# Altium PCB PCB1.PcbDoc
Units mm, origin at the board's own origin, x right, y up, seen from the top; angles counter-clockwise.
Board outline 65 x 100 mm, 2 copper layers (Top Layer, Bottom Layer); 57 components, 56 nets, 301 pads, 180 vias.
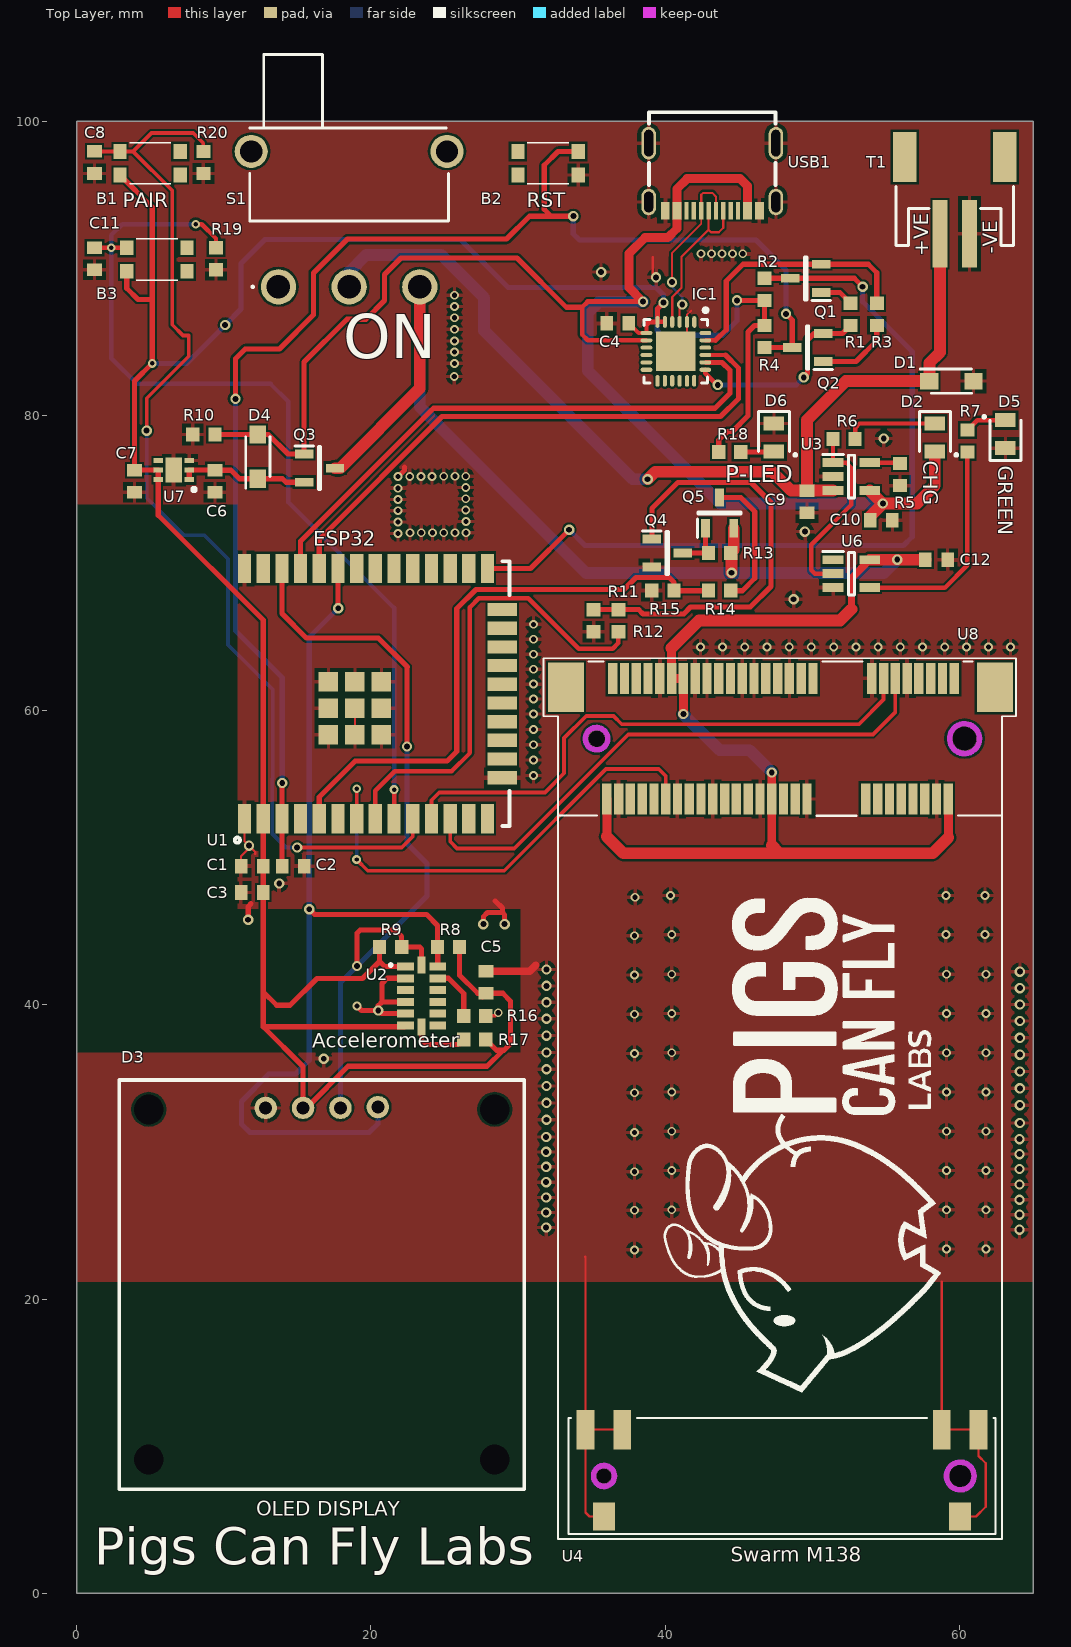
[diagram p0: Top Layer view]
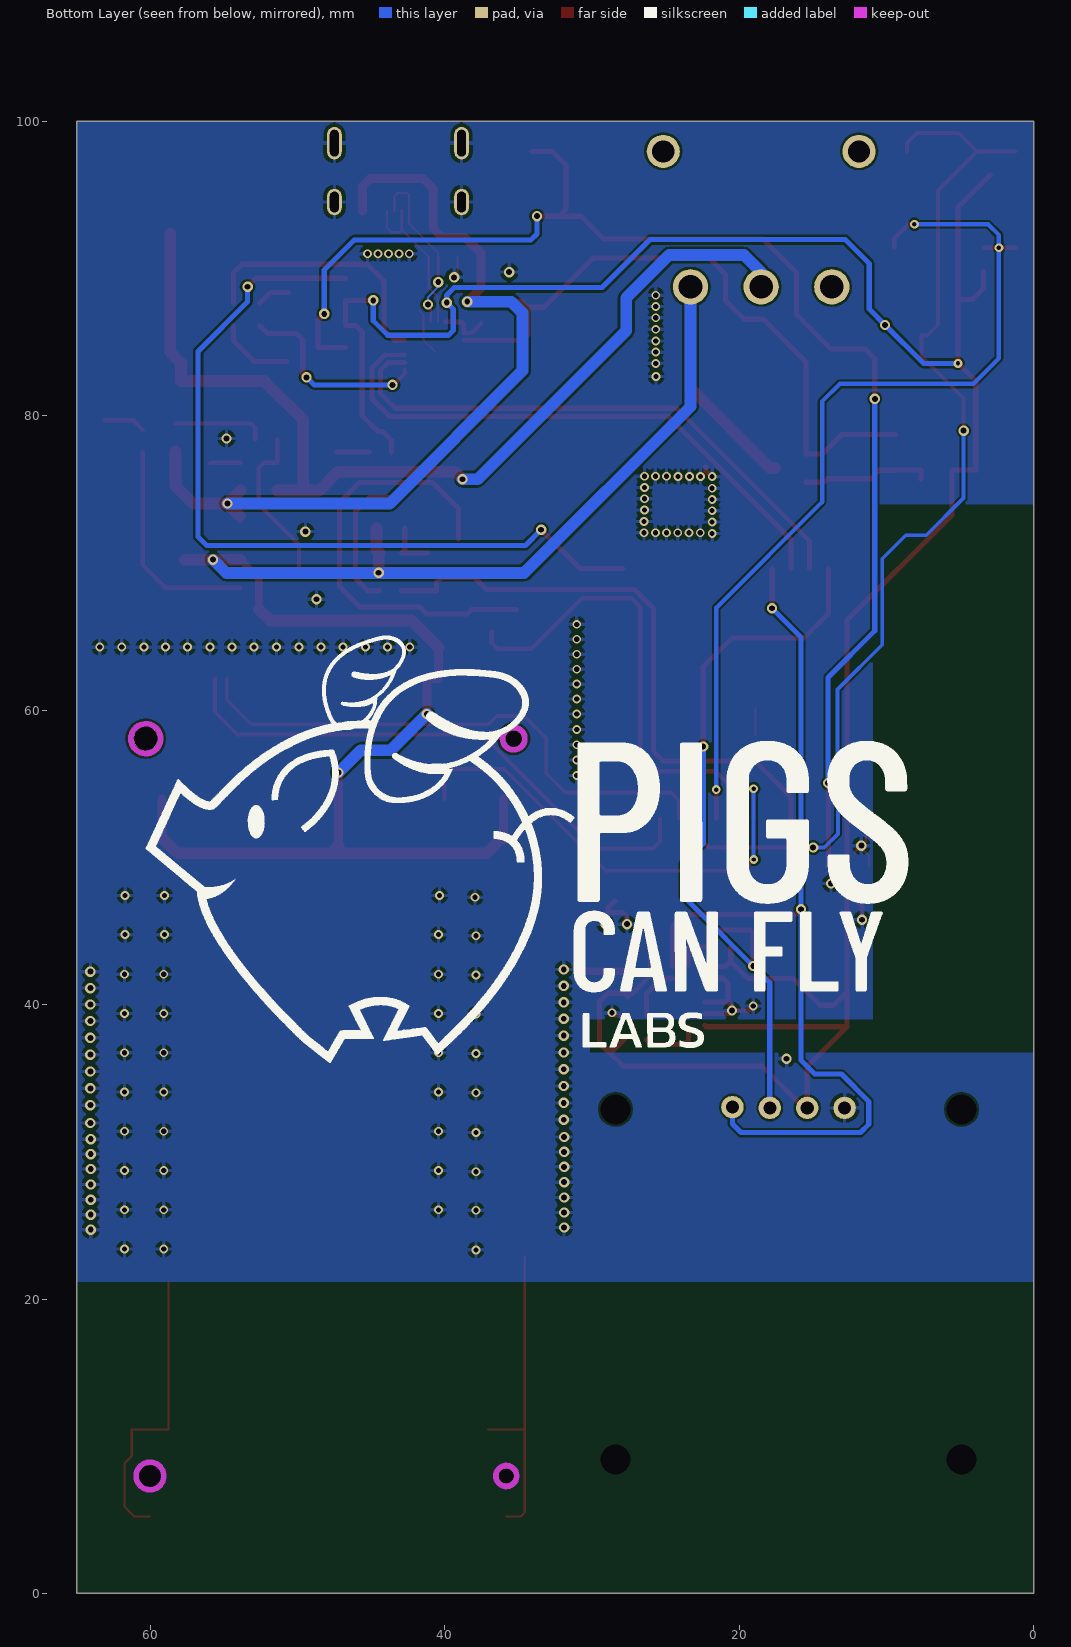
[diagram p1: Bottom Layer view, seen from below]
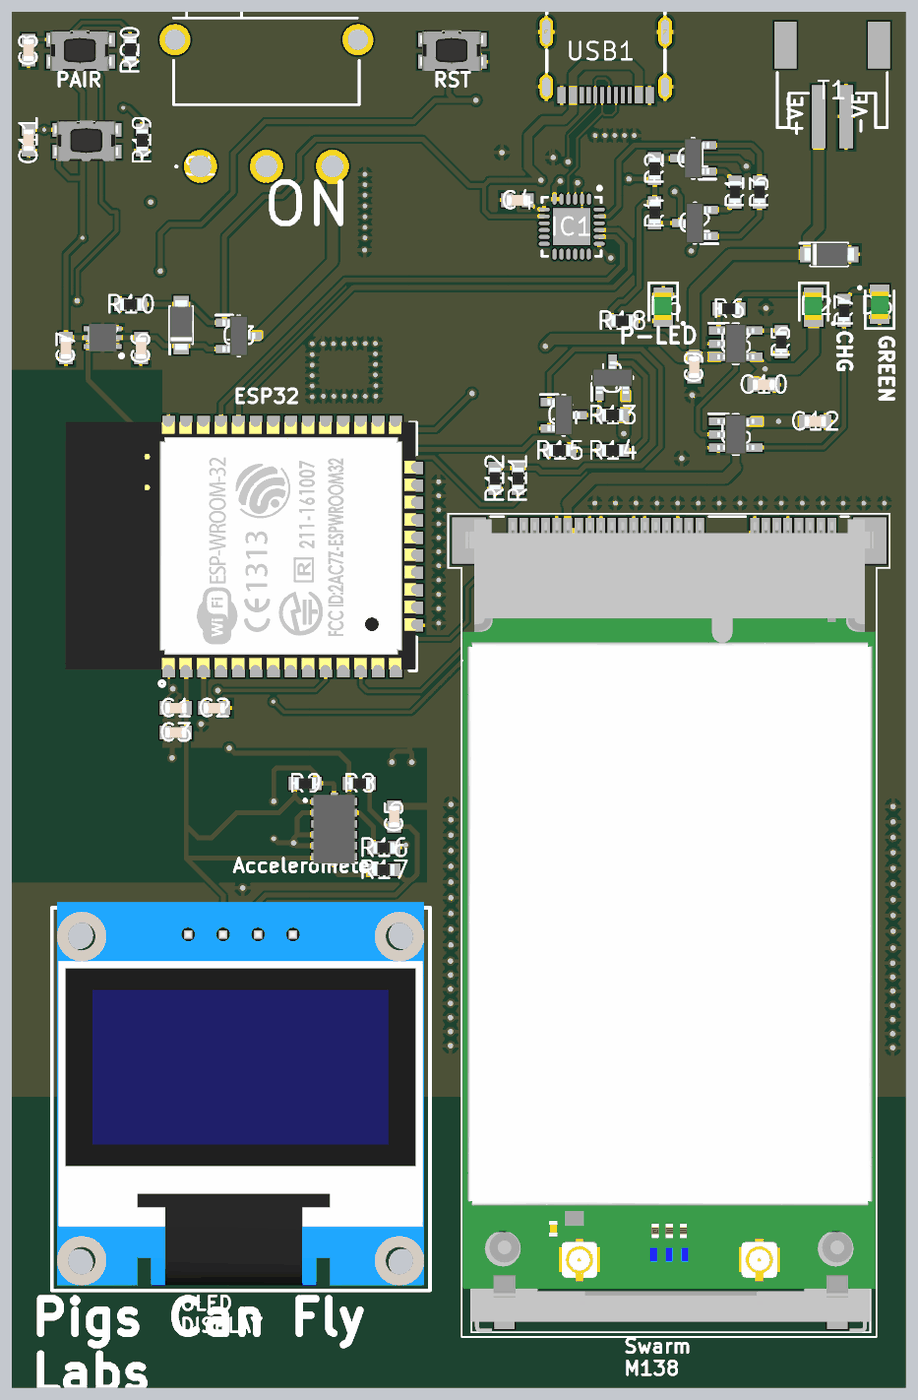
[diagram p2: 3D render of the assembled board from above, using the file's embedded part models]

## Layer stack, top to bottom
Top Solder: solder mask 0.0102, Solder Resist, Dk 3.5
Top Layer: signal copper 0.0356
Dielectric 1: dielectric 0.32, FR-4, Dk 4.8
Bottom Layer: signal copper 0.0356
Bottom Solder: solder mask 0.0102, Solder Resist, Dk 3.5

## Board outline
0,0 65,0 65,100 0,100

## Design rules (kind name [scope] priority, off if disabled: settings)
Clearance [All] p1: gap=0.157
PolygonConnect [All] p1: connectstyle=Relief reliefconductorwidth=0.254 reliefentries=4 polygonreliefangle="90 Angle" airgapwidth=0.254
RoutingVias [All] p1: holewidth=0.711 width=1.27 viastyle="Through Hole" minholewidth=0.711 minwidth=1.27 maxholewidth=0.711 maxwidth=1.27
SolderMaskExpansion [All] p1: expansion=0.102
Width [All] p1: maxlimit=35 minlimit=0.127 preferedwidth=0.254
30 further rules are at their usual default settings.

## Components (designator, comment, footprint, x,y, rotation, side; value= is the part's Value field where it differs from the comment)
B1 "Pairing Button" KMR221NGLFS 5,97.164 r0 top
B2 "Reset Button" KMR221NGLFS 32.032,97.164 r0 top
B3 "Wakeup Button" KMR221NGLFS 5.461,90.618 r0 top
C1 "CAPC1608N-0.1UF" "0603 Capacitor" 11.93,49.394 r0 top
C2 "CAPC1608N-0.1UF" "0603 Capacitor" 14.724,49.394 r180 top
C3 "CAPC1608N-0.1UF" "0603 Capacitor" 11.93,47.616 r0 top
C4 "CAPC1608N-0.1UF" "0603 Capacitor" 36.767,86.297 r180 top
C5 "100n" "0603 Capacitor" 27.813,41.52 r90 top
C6 "1µF" "0603 Capacitor" 9.398,75.556 r270 top
C7 "10u" "0603 Capacitor" 3.937,75.556 r270 top
C8 "100n" "0603 Capacitor" 1.219,97.214 r270 top
C9 "10u" "0603 Capacitor" 49.625,74.174 r270 top
C10 "1u" "0603 Capacitor" 54.673,72.898 r0 top
C11 "100n" "0603 Capacitor" 1.219,90.668 r270 top
C12 "1u" "0603 Capacitor" 58.42,70.229 r0 top
D1 "MBR120" SODFL3616X98N 59.436,82.36 r0 top
D2 "ORANGE" LED 58.483,78.613 r0 top
D3 "0.96\" i2c Olded Display" "i2c display" 16.002,20.819 r0 top
D4 "MBR120" SODFL3616X98N 12.319,77.231 r90 top
D5 "ORANGE" LED 62.928,78.668 r180 top
D6 "ORANGE" LED 47.549,78.613 r0 top
IC1 "CP2104-F03-GMR" cp2104 40.703,84.383 r180 top
Q1 "MMBT2222ALT1G" SOT96P237X111-3N 49.539,89.345 r180 top
Q2 "MMBT2222ALT1G" SOT96P237X111-3N 49.666,84.646 r180 top
Q3 "DMG3415U" SOT96P237X111-3N 16.51,76.445 r0 top
Q4 "2N7002,215" SOT96P237X111-3N 40.132,70.679 r0 top
Q5 "BSS48" SOT96P237X111-3N 43.688,73.406 r90 top
R1 "10k 0603" RES0603 52.587,86.896 r270 top
R2 "10k 0603" RES0603 46.745,88.594 r90 top
R3 "10k 0603" RES0603 54.365,86.896 r90 top
R4 "10k 0603" RES0603 46.745,85.396 r270 top
R5 "10K" RES0603 55.944,76.012 r270 top
R6 "1K" RES0603 52.142,78.414 r180 top
R7 "1K" RES0603 60.515,78.287 r270 top
R8 "4k7 0603" RES0603 25.273,43.917 r180 top
R9 "4k7 0603" RES0603 21.336,43.917 r0 top
R10 "100K" RES0603 8.648,78.731 r0 top
R11 "4K7" RES0603 36.805,66.084 r270 top
R12 "100K" RES0603 35.128,66.084 r270 top
R13 "100K" RES0603 43.688,70.679 r180 top
R14 "330K" RES0603 43.688,68.123 r180 top
R15 "100K" RES0603 39.832,68.123 r180 top
R16 "10k 0603" RES0603 27.051,39.243 r180 top
R17 "10k 0603" RES0603 27.051,37.643 r180 top
R18 "1K" RES0603 44.375,77.537 r180 top
R19 "10k 0603" RES0603 9.474,90.668 r270 top
R20 "10k 0603" RES0603 8.611,97.214 r270 top
S1 "SS-12D11G5R (BAT Slide Switch)" SS12D11G5R 13.716,88.764 r0 top
T1 "Battery Connector" "Battery Connector" 59.627,94.298 r0 top
U1 "ESP32-WROOM-32__16MB_" ESP32 18.923,60.062 r180 top
U2 "ADXL345BCCZ-RL" ADXL345BCCZRL 23.444,40.589 r0 top
U3 "MCP73831-2-OT" SOT95P270X145-5N 52.642,75.874 r0 top
U4 "Component_2" m.2 60.037,7.979 r180 top locked
U6 "NOT GATE" SOT95P270X145-5N 52.642,69.279 r0 top
U7 "NCV8187AMT330TAG" SON65P200X200X80-7N 6.604,76.318 r180 top
U8 "SWARM_M138_mPCIe_2.005\"_VHF" RF_VHF_JAE_MM60-52B1-B1-R850_MM60-EZH039-B5-R850_w_2005_mPCIe_card 60.325,58.068 r180 top locked
USB1 "GT-USB-7010B" "type c" 42.809,97.13 r180 top

## Footprints (in the part's own frame and the unit in brackets; to place one, negate y for a bottom-side part, rotate by r counter-clockwise, add the part's x,y. Pads: shape width x height; smd on the part's side, far side on the other; paste and mask are expansions set on the pad)
"0603 Capacitor" [mm]
  rect 0.85x1 smd: 1(-0.75,0) 2(0.75,0)
  body extent -0.8,-0.4 0.8,0.4, height 0.81
ADXL345BCCZRL [mm]
  rect 1.145x0.55 smd: 1(-1.097,2) 2(-1.097,1.2) 3(-1.097,0.4) 4(-1.097,-0.4) 5(-1.097,-1.2) 6(-1.097,-2) 8(1.097,-2) 9(1.097,-1.2) 10(1.097,-0.4) 11(1.097,0.4) 12(1.097,1.2) 13(1.097,2)
  rect 0.55x1.145 smd: 7(0,-2.098) 14(0,2.098)
  silkscreen extent -2.2,2 -2,2.2, body extent -1.5,-2.5 1.5,2.5, height 1.1
"Battery Connector" [mm]
  rect 1x4.6 smd: 1(-0.965,-1.922) 2(1.035,-1.922)
  rect 1.6x3.4 smd: NC1(-3.365,3.278) NC2(3.435,3.278)
  silkscreen extent -3.97,-2.72 4.03,1.28
cp2104 [mm]
  oval 0.28x0.8 smd: 1(-1.263,-1.999) 2(-0.763,-1.999) 3(-0.263,-1.999) 4(0.237,-1.999) 5(0.737,-1.999) 6(1.237,-1.999) 13(1.237,2.001) 14(0.737,2.001) 15(0.237,2.001) 16(-0.263,2.001) 17(-0.763,2.001) 18(-1.255,2.001)
  oval 0.8x0.28 smd: 7(1.987,-1.248) 8(1.987,-0.749) 9(1.987,-0.248) 10(1.987,0.251) 11(1.987,0.752) 12(1.987,1.251) 19(-2.013,1.251) 20(-2.013,0.752) 21(-2.013,0.251) 22(-2.013,-0.248) 23(-2.013,-0.749) 24(-2.013,-1.248)
  rect 2.7x2.7 smd: 25(0,0.001)
  silkscreen extent -2.29,-3.05 2.15,2.15
ESP32 [mm]
  rect 0.9x2 smd: 1(7.513,7.433) 2(6.243,7.433) 3(4.973,7.433) 4(3.703,7.433) 5(2.433,7.433) 6(1.163,7.433) 7(-0.107,7.433) 8(-1.377,7.433) 9(-2.647,7.433) 10(-3.917,7.433) 11(-5.187,7.433) 12(-6.457,7.433) 13(-7.727,7.433) 14(-8.997,7.433) 25(-8.997,-9.567) 26(-7.727,-9.567) 27(-6.457,-9.567) 28(-5.187,-9.567) 29(-3.917,-9.567) 30(-2.647,-9.567) 31(-1.377,-9.567) 32(-0.107,-9.567) 33(1.163,-9.567) 34(2.433,-9.567) 35(3.703,-9.567) 36(4.973,-9.567) 37(6.243,-9.567) 38(7.513,-9.567)
  rect 2x0.9 smd: 15(-9.997,4.648) 16(-9.997,3.378) 17(-9.997,2.108) 18(-9.997,0.838) 19(-9.997,-0.432) 20(-9.997,-1.702) 21(-9.997,-2.972) 22(-9.997,-4.242) 23(-9.997,-5.512) 24(-9.997,-6.782)
  rect 1.33x1.33 smd: 39(1.813,1.733) 40(0.013,1.733) 41(-1.787,1.733) 42(1.813,-0.067) 43(0.013,-0.067) 44(-1.787,-0.067) 45(1.813,-1.867) 46(0.013,-1.867) 47(-1.787,-1.867)
  silkscreen extent -10.5,-10.07 8.18,9.07, body extent -10.46,-10.12 15.04,7.88
"i2c display" [mil]
  round 60 hole 35: 1(-124.21,479.01) 2(-24.21,479.01) 3(75.79,479.01) 4(175.79,481.14)
  round 60 / inner round 100 / far side round 60 hole 80 unplated: ""(-436.81,-461.93) ""(-436.81,475.07) ""(488.39,-461.93) ""(488.39,475.07)
  silkscreen extent -516,-541 567,554, body extent -501,-527 551,570, height 208
KMR221NGLFS [mm]
  rect 0.9x1 smd: 1(-2.05,-0.8) 2(2.05,-0.8) 3(2.05,0.8) 4(-2.05,0.8)
  silkscreen extent -1.4,-1.4 1.4,1.4, body extent -2.35,-1.48 2.25,1.52, height 2.1
LED [mm]
  rect 1.4x0.95 smd: 1(-0.175,0.866) 2(-0.175,-1.034)
  silkscreen extent -1.22,-1.33 1.33,1.69, body extent -0.82,-1 0.43,1, height 1.1
m.2 [mm]
  rect 1.5x1.9 smd: S1_1(0.009,2.751) S2_1(24.209,2.751)
  rect 1.2x2.7 smd: S1_2(-1.241,-3.149) S1_3(1.259,-3.149) S2_2(22.959,-3.149) S2_3(25.459,-3.149)
  round 1.55 hole 1.55 unplated mask+0.102: ""(0.009,0.001)
  round 1.05 hole 1.05 unplated: ""(24.209,0.001)
  Keep-Out Layer circle w0.381: c24.206,0 r0.711
  Keep-Out Layer circle w0.381: c0,0 r0.94
  silkscreen extent -2.39,-3.95 26.61,3.95, body extent -2.39,-3.92 26.61,3.98, height 4.7
RES0603 [mm]
  rect 0.9x0.95 smd: 1(-0.75,0) 2(0.75,0)
  body extent -0.77,-0.4 0.77,0.4, height 0.55
RF_VHF_JAE_MM60-52B1-B1-R850_MM60-EZH039-B5-R850_w_2005_mPCIe_card [mil]
  rect 25x83 smd: 1(27.56,-161.42) 2(43.31,161.42) 3(59.06,-161.42) 4(74.8,161.42) 5(90.55,-161.42) 6(106.3,161.42) 7(122.05,-161.42) 8(137.8,161.42) 9(153.54,-161.42) 10(169.29,161.42) 11(185.04,-161.42) 12(200.79,161.42) 13(216.53,-161.42) 14(232.28,161.42) 15(248.03,-161.42) 16(263.78,161.42) 17(405.51,-161.42) 18(421.26,161.42) 19(437.01,-161.42) 20(452.76,161.42) 21(468.5,-161.42) 22(484.25,161.42) 23(500,-161.42) 24(515.75,161.42) 25(531.5,-161.42) 26(547.24,161.42) 27(562.99,-161.42) 28(578.74,161.42) 29(594.49,-161.42) 30(610.24,161.42) 31(625.98,-161.42) 32(641.73,161.42) 33(657.48,-161.42) 34(673.23,161.42) 35(688.98,-161.42) 36(704.72,161.42) 37(720.47,-161.42) 38(736.22,161.42) 39(751.97,-161.42) 40(767.72,161.42) 41(783.46,-161.42) 42(799.21,161.42) 43(814.96,-161.42) 44(830.71,161.42) 45(846.46,-161.42) 46(862.2,161.42) 47(877.95,-161.42) 48(893.7,161.42) 49(909.45,-161.42) 50(925.2,161.42) 51(940.94,-161.42) 52(956.69,161.42)
  rect 96x132 smd: 53(-81.69,-137.79) 54(1065.94,-137.79)
  round 64.02 hole 64 unplated: ""(0,0)
  round 44.02 hole 44 unplated: ""(984.25,0)
  Keep-Out Layer circle w15: c0,0 r40
  Keep-Out Layer circle w15: c984.25,0 r30
  silkscreen extent -138,-215 1126,2141, body extent -98,-198 1083,2003, height 272
SODFL3616X98N [mm]
  rect 1.24x1.12 smd: 1(-1.5,0) 2(1.5,0)
  silkscreen extent -2.12,-0.82 1.35,0.82, body extent -1.8,-0.82 1.8,0.82, height 0.98
SON65P200X200X80-7N [mm]
  rect 0.65x0.35 smd: 1(-1.05,0.65) 2(-1.05,0) 3(-1.05,-0.65) 4(1.05,-0.65) 5(1.05,0) 6(1.05,0.65)
  rect 1.1x1.7 smd: 7(0,0)
  silkscreen extent -1.5,1.2 -1.25,1.45, body extent -1.05,-1 1.05,1, height 0.8
SOT95P270X145-5N [mm]
  rect 1.4x0.6 smd: 1(-1.25,0.95) 2(-1.25,0) 3(-1.25,-0.95) 4(1.25,-0.95) 5(1.25,0.95)
  silkscreen extent -1.95,-1.45 0.2,1.5, body extent -1.35,-1.45 1.35,1.45, height 1.45
SOT96P237X111-3N [mm]
  rect 1.25x0.6 smd: 1(-1.05,0.955) 2(-1.05,-0.955) 3(1.05,0)
  silkscreen extent -1.68,-1.46 0.08,1.51, body extent -1.18,-1.46 1.18,1.46, height 1.11
SS12D11G5R [mm]
  round 2.4 hole 1.6: 1(0,0) 2(4.8,0) 3(9.6,0)
  round 2.25 hole 1.5: MH1(-1.85,9.2) MH2(11.45,9.2)
  silkscreen extent -1.95,-0.05 11.55,15.78
"type c" [mm]
  rect 0.6x1.2 smd: 1(-3.579,3.203) 2(-2.779,3.203) 11(2.021,3.203) 12(2.821,3.203)
  rect 0.3x1.2 smd: 3(-2.129,3.203) 4(-1.629,3.203) 5(-1.129,3.203) 6(-0.629,3.203) 7(-0.129,3.203) 8(0.371,3.203) 9(0.871,3.203) 10(1.371,3.203)
  oval 1x1.8 hole 0.6 slot 1.4 at 90 deg: 13(-4.699,2.603) 14(3.941,2.603)
  oval 1x2.2 hole 0.6 slot 1.8 at 90 deg: 15(-4.699,-1.397) 16(3.941,-1.397)
  silkscreen extent -4.68,-3.5 3.92,1.47

## Part data
B1 B2 B3: library part Button
C1 C2 C3 C4: "CAP CER 0.1UF 25V X7R 0603"
C5 C8 C11: library part 100n_0603
C6: library part CAP_CERAMIC0805-NOOUTLINE, "Ceramic Capacitors   For new designs, use the packages preceded by an '_' character since they are more reliable:   The following footprints should be used on most boards: _0402 - Standard footprint for regular board layouts  _0603 - Standard footprint for regular board layouts  _0805 - Standard footprint for regular board layouts  _1206 - Standard footprint for regular board layouts       For extremely tight-pitch boards where space is at a premium, the following 'micro-pitch' footprints can be used (smaller pads, no silkscreen outline, etc.): _0402MP - Micro-pitch footprint for very dense/compact boards  _0603MP - Micro-pitch footprint for very dense/compact boards  _0805MP - Micro-pitch footprint for very dense/compact boards  _1206MP - Micro-pitch footprint for very dense/compact boards"
C7 C9 C10 C12: library part 10u_0603
D1 D4: library part MBR0520
D2 D5 D6: library part LED
D3: library part "Header 4", "Header, 4-Pin"
IC1: library part CP2104, "CP2104 - USB to UART Bridge    VDD Output: 3.45V"
Q1 Q2 U1 U2 U7: "Integrated Circuit"
Q3: library part MOSFET-P, "P-Channel Mosfet   LEGEND   VDS: Voltage Drain-Source ID: Drain Current RDS(ON): Drain-Source On-State Resistance VGS(TH): Gate-Source Threshold Voltage CISS: Drain-Source Input Capacitance    SOT-23   Name	VDS	ID	RDS(ON)	VGS(TH)	CISS	Order Number	   IRLML5103	30V	760mA	600 mOhm	--	75pF @ 25V	Digikey: IRLML5103PBFCT-ND	   IRLML6401	12V	4.3A	50 mOhm	950mV @ 250µA	830pF @ 10V	Digikey: IRLML6401PBFTR-ND	   NTR0202PL	20V	400mA	800 mOhm	2.3V @ 250uA	70pF @ 5V	Digikey: NTR0202PLT1GOSTR-ND	   NTR4101PT1G	20V	1.8A	85 mOhm	1.2V @ 250uA	675pF @ 10V	Digikey: NTR4101PT1GOSCT-ND	   DMP2004K	20V	600mA	900 mOhm	1V @ 250uA	175pF @ 16V	Digikey: DMP2004KDICT-ND	   PMV65XP	20V	3.9A	76 mOhm	950mV @ 1mA	725pF @ 20V	Digikey: 568-2358-2-ND	   							   							TO-252   Name	VDS	ID	RDS(ON)	VGS(TH)	CISS	Order Number	   AOD417	30V	25A	34 mOhm	3V @ 250µA	920pF @ 15V	Digikey: 785-1106-2-ND	PowerPak   Name	VDS	ID	RDS(ON)	VGS(TH)	CISS	Order Number	   AON7401	30V	12A	14 mOhm	3V @ 250µA	2600pF @ 15V	Digikey: 785-1302-1-ND"
Q4: library part 2N7002
Q5: library part BSS84
R1 R2 R3 R4 R16 R17 R19 R20: library part RGA1608P-103-B-T1, "Resistor"
R5 R8 R9: library part 10K_0603
R6 R7 R18: library part 1K_0603
R10: library part RESISTOR_0603_NOOUT, "Resistors   For new designs, use the packages preceded by an '_' character since they are more reliable:   The following footprints should be used on most boards: _0402 - Standard footprint for regular board layouts  _0603 - Standard footprint for regular board layouts  _0805 - Standard footprint for regular board layouts  _1206 - Standard footprint for regular board layouts       For extremely tight-pitch boards where space is at a premium, the following 'micro-pitch' footprints can be used (smaller pads, no silkscreen outline, etc.): _0402MP - Micro-pitch footprint for very dense/compact boards  _0603MP - Micro-pitch footprint for very dense/compact boards  _0805MP - Micro-pitch footprint for very dense/compact boards  _1206MP - Micro-pitch footprint for very dense/compact boards"
R11: library part 4K7_0603
R12 R13 R15: library part 100K_0603
R14: library part 330K_0603
S1: library part SS-12D11G5R, "Switch"
U6: library part SN74LVC1G04DBVR, "Integrated Circuit"
U8: "SWARM M138 MODEM mPCIe 2.005\" (50.925mm) x 1.18\" (30mm)  Two part connector"

## Via types
v1: diameter 0.6, hole 0.35, Top Layer to Bottom Layer, tented both sides, 102 vias
v2: diameter 0.7, hole 0.4, Top Layer to Bottom Layer, tented both sides, 72 vias
v3: diameter 0.6, hole 0.3, Top Layer to Bottom Layer, tented both sides, 6 vias

## Nets (pads, with @x,y where several pads share a name; then routed paths per layer and width w, separated by ;. In a path a pad name is that pad's centre, name@x,y a point inside that pad or via, vN(x,y) a via of type N, cw(c..) or ccw(c..) an arc to the next point about the centre after c; other vN are vias at no path point)
+3V3: B1.1 B3.1 C1.2 C3.2 C4.1 C5.1 C7.1 D3.2 IC1.5 IC1.6 IC1.7 R2.1 R4.1 R8.1 R9.1 R17.1 R18.2 U1.2 U2.1 U2.6 U7.5 U7.6 | length 193.1
  Top Layer w0.3: C4.1 38.182,85.631 IC1.7 38.717,86.206 ; IC1.6 IC1.5
  Top Layer w0.35: B1.1 5.143,94.171 5.143,87.909 ; B3.1 3.411,88.664 4.166,87.909 5.143,87.909 ; v2@10.051,86.215 v2(10.096,86.17) ; R9.1 20.586,42.939 ; U2.6 22.259,38.501 12.68,38.501 ; U2.1 20.936,42.589 20.586,42.939 ; R8.1 26.023,41.998 27.251,40.77 C5.1 ; C5.1@27.572,40.529 C5.1 ; R17.1 28.538,36.906 29.032,36.906 29.489,37.363 29.489,40.234 28.953,40.77 C5.1 ; 28.981,36.906 27.889,35.814 18.44,35.814 15.612,32.986 D3.2 15.387,35.794 12.68,38.501 ; 38.717,86.206 38.892,86.381 IC1.6 39.466,87.282 v2(39.878,87.694) ; R18.2 43.625,78.347 44.221,78.943 44.552,78.943 45.618,80.01 45.618,85.7 46.064,86.146 R4.1 R2.1 v2(44.871,87.844) ; 5.143,87.909 v3(5.143,83.566) 3.937,82.36 C7.1 3.949,76.318 U7.5 U7.6 5.554,73.25 12.68,66.124 U1.2 C1.2 C3.2 12.68,40.869 ; 12.68,38.501 12.68,40.869 ; 12.68,40.869 13.594,39.954 14.503,39.954 16.332,41.783 19.43,41.783 20.586,42.939
  Bottom Layer w0.35: v3(5.143,83.566) 7.493,83.566 v2(10.096,86.17) 11.176,87.249 11.176,90.348 12.802,91.973 26.06,91.973 29.324,88.71 39.37,88.71 39.878,88.202 v2(39.878,87.694) 39.433,87.249 39.433,85.789 39.751,85.471 43.878,85.471 44.871,86.463 v2(44.871,87.844)
CHG_FULL: R7.2 U6.4 | length 14.9
  Top Layer w0.3: U6.4 58.994,68.328 60.515,69.85 R7.2
CLK: U1.20
CMD: U1.19
D+: IC1.3 USB1.6 USB1.8 | length 11.9
  Top Layer w0.127: 40.45,90.8 40.45,91.046 42.438,93.035 USB1.8
  Top Layer w0.15: v2(40.45,89.082) 40.45,90.8 ; IC1.3 40.966,87.385 v2(41.148,87.567) ; USB1.8 42.438,95.016 42.57,95.148 43.18,95.148 43.438,94.891 USB1.6
  Bottom Layer w0.15: v2(40.45,89.082) 40.45,88.76 41.148,88.062 v2(41.148,87.567)
D-: IC1.4 USB1.5 USB1.7 | length 10.9
  Top Layer w0.15: IC1.4 40.466,88.068 ; 41.1,88.701 41.1,90.8 42.938,92.638 ; USB1.7 42.938,92.638 ; USB1.5 43.938,92.782 43.626,92.47 43.105,92.47 42.938,92.638
  Top Layer w0.153: 40.466,88.068 41.1,88.701
DTR: IC1.23 Q1.2 R3.2 | length 18
  Top Layer w0.3: IC1.23 43.412,85.131
  Top Layer w0.35: 43.412,85.131 44.133,85.852 44.133,89.154 45.278,90.299 Q1.2 53.782,90.299 54.365,89.717 R3.2
EN: B2.3 C2.2 Q2.3 R4.2 U1.3 | length 96.3
  Top Layer w0.35: v2(10.795,81.153) 10.795,83.884 11.462,84.55 13.786,84.55 16.104,86.868 16.104,89.713 18.402,92.012 29.21,92.012 30.763,93.565 v2(33.748,93.565) 32.242,93.565 31.775,94.031 31.775,97.028 32.711,97.964 B2.3 ; v2(13.97,55.054) 13.95,55.034 U1.3 13.95,49.418 C2.2 ; R4.2 Q2.3 48.616,86.512 v2(48.197,86.932)
  Bottom Layer w0.35: v2(10.795,81.153) 10.795,65.405 13.97,62.23 v2(13.97,55.054) ; v2(33.748,93.565) 33.748,92.363 34.163,91.948 46.164,91.948 48.197,89.916 v2(48.197,86.932)
GND: B2.2 C1.1 C2.1 C3.1 C4.2 C5.2 C6.2 C7.2 C8.2 C9.2 C10.2 C11.2 C12.2 D1.2 D3.1 D5.1 D6.1 IC1.2 IC1.25 Q4.2 R5.2 R10.1 R12.2 R15.2 R16.1 R19.2 R20.2 T1.2 U1.1 U1.15 U1.38 U1.39 U1.40 U1.41 U1.42 U1.43 U1.44 U1.45 U1.46 U1.47 U2.2 U2.4 U2.5 U3.2 U4.S1_1 U4.S1_2 U4.S1_3 U4.S2_1 U4.S2_2 U4.S2_3 U6.3 U7.3 U7.7 U8.4 U8.9 U8.15 U8.18 U8.21 U8.26 U8.27 U8.29 U8.34 U8.35 U8.37 U8.40 U8.43 U8.50 USB1.1 USB1.12 USB1.13 USB1.14 USB1.15 USB1.16 | length 71.1
  Top Layer w0.127: IC1.25 41.466,85.144 IC1.2 41.466,86.856 41.758,87.147
  Top Layer w0.15: C1.1 11.18,50.093 11.709,50.622 v2(11.709,50.8) ; U1.1 11.41,51.1 v2(11.709,50.8) ; 12.141,50.241 12.141,50.368 v2(11.709,50.8) ; U1.40 U1.43 ; 34.544,22.885 34.578,22.851 U4.S2_3 ; U4.S2_1 34.853,5.228 34.578,5.503 U4.S2_3 ; U4.S2_2 U4.S2_3 ; 39.15,90.8 39.15,89.628 v2(39.37,89.408) ; 58.778,21.181 U4.S1_3 U4.S1_2 61.278,9.334 61.773,8.839 61.773,5.893 61.108,5.228 U4.S1_1
  Top Layer w0.254: R16.1 28.448,39.243 v1(28.651,39.446)
  Top Layer w0.35: v2(11.659,45.771) 11.659,46.662 11.859,46.862 ; v1(19.05,39.903) 19.355,39.599 v2(20.498,39.599) ; v1(21.844,75.87) 22.276,76.302 22.276,76.505 ; U2.5 20.707,39.389 v2(20.498,39.599) ; U2.4 20.758,40.189 ; U2.2 21.114,41.789 20.758,41.434 20.758,40.189 ; v2(27.635,45.466) 27.635,45.974 27.915,46.253 28.931,46.253 ; 28.448,47.041 28.931,46.558 28.931,46.253 ; v2(29.083,45.466) 29.083,46.101 28.931,46.253 ; v2(20.498,39.599) 20.498,39.929 20.758,40.189
  Top Layer w0.5: C5.2 30.789,42.27 31.191,42.672
  other v1: 37.897,23.343 59.106,23.393 61.773,23.393 37.897,26.035 40.437,26.06 59.106,26.06 61.773,26.06 37.897,28.651 40.437,28.727 59.106,28.727 61.773,28.727 37.897,31.318 40.437,31.394 59.106,31.394 61.773,31.394 37.897,34.011 40.437,34.061 59.106,34.061 61.773,34.061 37.897,36.678 40.437,36.728 59.106,36.728 61.773,36.728 37.897,39.345 40.437,39.395 59.106,39.395 61.773,39.395 37.897,42.012 40.437,42.062 59.106,42.062 61.773,42.062 37.897,44.679 40.437,44.755 59.055,44.755 61.722,44.755 37.948,47.295 40.361,47.422 59.055,47.422 61.722,47.422 31.039,55.575 31.039,56.617 31.039,57.658 31.039,58.699 31.039,59.741 31.039,60.757 31.039,61.773 31.039,62.789 31.039,63.805 42.393,64.287 43.891,64.287 45.39,64.287 46.914,64.287 48.412,64.287 49.911,64.287 51.435,64.287 52.959,64.287 54.458,64.287 55.956,64.287 57.48,64.287 58.979,64.287 60.452,64.287 61.951,64.287 63.449,64.287 31.039,64.821 31.039,65.837 21.844,72.009 22.657,72.06 23.419,72.06 24.181,72.06 24.943,72.06 25.705,72.06 26.467,72.06 21.844,72.796 26.467,72.822 21.844,73.558 26.441,73.609 21.844,74.32 26.441,74.371 21.844,75.082 26.441,75.133 22.631,75.87 23.393,75.87 24.155,75.87 24.943,75.895 25.705,75.895 26.441,75.895 25.654,82.677 25.679,83.566 25.679,84.328 25.679,85.09 25.679,85.877 25.679,86.665 25.679,87.427 25.679,88.189 42.418,91.008 43.129,91.008 43.84,91.008 44.552,91.008 45.263,91.008
  other v2: 64.059,24.714 31.902,24.867 64.059,25.73 31.902,25.883 64.059,26.746 31.902,26.899 64.059,27.788 31.902,27.94 64.059,28.829 31.902,28.981 64.059,29.845 31.902,29.997 64.059,30.861 31.902,31.013 64.084,31.953 31.928,32.182 64.084,33.172 31.928,33.325 64.084,34.315 31.928,34.468 64.084,35.458 31.928,35.611 16.789,36.322 64.084,36.601 31.928,36.754 64.084,37.744 31.928,37.897 64.084,38.887 31.928,39.04 64.084,40.005 31.928,40.157 64.084,41.123 31.928,41.275 64.084,42.24 31.928,42.393 13.767,48.235 48.717,67.539 49.479,72.136 54.839,78.461 35.636,89.764
IN: C6.1 D4.1 Q3.2 U7.1 U7.2 | length 8.8
  Top Layer w0.35: U7.1 U7.2 9.386,76.318 C6.1 10.498,76.306 11.074,75.731 D4.1 13.995,75.731 14.235,75.49 Q3.2
IO0: Q1.3 R2.2 U1.25 | length 55.9
  Top Layer w0.35: U1.25 30.831,69.629 v2(33.465,72.263) ; R2.2 Q1.3 52.832,89.345 v2(53.404,88.773)
  Bottom Layer w0.35: v2(33.465,72.263) 34.531,71.196 56.185,71.196 56.769,71.78 56.769,84.379 53.404,87.744 v2(53.404,88.773)
IO2: U1.24
IO4: U1.26
IO5: U1.29
IO12: U1.14
IO13: U1.16
IO14: U1.13
IO15: U1.23
IO16: U1.27
IO17: U1.28
IO18: U1.30
IO19: U1.31
IO21: D3.4 R8.2 U1.33 U2.13 | length 64.4
  Top Layer w0.35: v2(15.811,46.482) 16.178,46.116 23.785,46.116 24.523,45.378 R8.2 24.541,43.898 U2.13 ; U1.33 17.76,66.949 v2(17.78,66.929)
  Bottom Layer w0.35: v2(17.78,66.929) 15.811,64.961 v2(15.811,46.482) 15.811,36.22 14.872,35.281 13.056,35.281 11.201,33.426 11.201,31.877 11.773,31.305 19.875,31.305 20.467,31.897 D3.4
IO22: D3.3 R9.2 U1.36 U2.14 | length 54.8
  Top Layer w0.35: U1.36 13.95,66.568 15.621,64.897 20.511,64.897 22.479,62.929 22.454,62.903 v2(22.454,57.531) ; v2(19.05,42.621) 19.05,44.856 19.253,45.06 21.666,45.06 22.086,44.64 R9.2 23.317,43.917 23.444,43.79 U2.14
  Bottom Layer w0.35: D3.3 17.927,41.486 23.812,47.371 23.812,49.593 22.454,50.952 v2(22.454,57.531)
IO23: U1.37
IO25: B1.4 C8.1 R20.1 U1.10 | length 73.9
  Top Layer w0.254: C8.1 B1.4 3.843,97.964 ; v2(4.763,78.994) 4.763,81.191 7.62,84.049 7.62,85.453 7.231,85.453 6.502,86.182 6.502,95.305 3.843,97.964 ; R20.1 8.611,98.527 7.925,99.212 5.091,99.212 3.843,97.964 ; v2(14.986,50.673) 22.098,50.673 22.84,51.415 U1.10
  Bottom Layer w0.254: v2(4.763,78.994) 4.763,74.422 7.302,71.882 8.7,71.882 10.287,70.295 10.287,64.453 13.335,61.405 13.335,55.363 13.302,55.331 13.302,51.595 14.224,50.673 v2(14.986,50.673)
IO32: R11.2 U1.8 | length 32
  Top Layer w0.3: U1.8 20.3,54.539 21.615,55.855 25.476,55.855 26.721,57.099 26.721,67.005 27.33,67.615 30.683,67.615 34.112,64.186 36.424,64.186 36.805,64.567 R11.2
IO33: B3.4 C11.1 R19.1 U1.9 | length 63.6
  Top Layer w0.3: C11.1 v3(2.362,91.418) B3.4 ; v3(8.103,93.015) 8.509,93.015 9.474,92.05 R19.1 ; U1.9 v3(21.57,54.605)
  Bottom Layer w0.3: v3(8.103,93.015) 3.099,93.015 2.362,92.278 v3(2.362,91.418) 2.362,83.922 4.115,82.169 13.183,82.169 14.376,80.975 14.376,74.143 21.57,66.949 v3(21.57,54.605)
IO34: U1.6
IO35: U1.7 U8.42 | length 32.8
  Top Layer w0.254: v3(19.025,49.86) 19.787,49.098 29.058,49.098 35.966,56.007 39.548,56.007 40.025,55.53 U8.42 ; U1.7 v3(19.03,54.666)
  Bottom Layer w0.254: v3(19.025,49.86) 19.03,49.865 v3(19.03,54.666)
IO36: U1.4
IO39: R14.2 R15.1 U1.5 | length 40.5
  Top Layer w0.35: U1.5 16.49,54.107 18.923,56.54 25.171,56.54 25.832,57.201 25.832,66.904 27.127,68.199 37.186,68.199 37.998,69.012 40.259,69.012 40.582,68.689 R15.1 R14.2
NetD2_1: D2.1 R6.1 | length 6.3
  Top Layer w0.3: R6.1 52.892,79.181 53.19,79.479 D2.1
NetD5_2: D5.2 R7.1 | length 2.9
  Top Layer w0.3: R7.1 61.181,79.702 D5.2
NetD6_2: D6.2 R18.1 | length 2.3
  Top Layer w0.35: R18.1 47.332,77.537 D6.2
NetQ1_1: Q1.1 R1.1 | length 2.3
  Top Layer w0.35: Q1.1 51.843,88.39 R1.1
NetQ2_1: Q2.1 R3.1 | length 5.3
  Top Layer w0.35: Q2.1 52.957,83.691 54.365,85.099 R3.1
NetQ4_1: Q4.1 R11.1 R12.1 | length 30.1
  Top Layer w0.35: R12.1 R11.1 38.195,66.834 38.481,66.548 41.25,66.548 41.707,67.005 45.771,67.005 47.168,68.402 47.168,74.117 45.817,75.468 40.847,75.468 39.082,73.702 Q4.1
NetQ4_3: Q4.3 Q5.1 R13.2 | length 3.5
  Top Layer w0.35: Q4.3 R13.2 42.733,70.884 Q5.1
NetQ5_3: Q5.3 R14.1 | length 9.3
  Top Layer w0.35: Q5.3 45.127,74.456 46.076,73.508 46.076,68.961 45.237,68.123 R14.1
NetR5_1: R5.1 U3.5 | length 2.1
  Top Layer w0.3: U3.5 55.882,76.824 R5.1
NetR16_2: R16.2 U2.12 | length 3.7
  Top Layer w0.35: U2.12 25.267,41.789 26.301,40.755 R16.2
NetR17_2: R17.2 U2.7 | length 4
  Top Layer w0.35: U2.7 23.444,37.567 23.724,37.287 25.945,37.287 R17.2
RTS: IC1.19 Q2.2 R1.2 | length 13.5
  Top Layer w0.3: IC1.19 42.716,82.887 v2@43.497,82.106
  Top Layer w0.35: v2@43.497,82.106 v2(43.561,82.106) ; v2(49.403,82.614) 49.657,82.868 49.657,85.154 50.104,85.6 Q2.2 52.042,85.6 R1.2
  Bottom Layer w0.35: v2(43.561,82.106) 48.895,82.106 v2(49.403,82.614)
S_RX: U1.12 U8.11 | length 38.1
  Top Layer w0.254: U1.12 25.38,51.074 25.845,50.609 29.731,50.609 37.478,58.357 54.102,58.357 55.625,59.88 U8.11
S_TX: U1.11 U8.13 | length 38.1
  Top Layer w0.254: U1.11 24.11,53.891 24.638,54.419 31.826,54.419 33.122,55.715 33.122,58.115 34.62,59.614 36.474,59.614 37.033,59.055 38.544,59.055 53.149,59.055 54.825,60.731 U8.13
SD2: U1.17
SD3: U1.18
SDI: U1.22
SDO: U1.21
STAT: R6.2 U3.1 U6.2 | length 12.6
  Top Layer w0.3: U6.2 50.165,69.279 49.911,69.533 49.911,71.247 52.642,73.978 52.642,76.454 52.272,76.824 U3.1 R6.2
U0RX: IC1.21 U1.34 | length 39.1
  Top Layer w0.3: IC1.21 44.088,84.131
  Top Layer w0.35: U1.34 16.49,71.608 24.828,79.947 43.752,79.947 44.958,81.153 44.958,83.261 44.088,84.131
U0TX: IC1.20 U1.35 | length 38.6
  Top Layer w0.35: U1.35 15.22,71.481 24.257,80.518 43.37,80.518 44.386,81.534 44.386,83.094 43.849,83.631 IC1.20
VBAT: C12.1 Q3.3 Q5.2 R13.1 S1.3 U6.5 U8.2 U8.24 U8.39 U8.41 U8.52 | length 132.5
  Top Layer w0.5: 52.642,66.866 52.642,68.979 U6.5
  Top Layer w0.6: 36.025,51.414 U8.52 ; 40.425,64.238 U8.41 U8.39 v2(41.225,59.74) ; 47.225,50.819 U8.24 v2(47.225,55.772) ; 59.225,51.351 U8.2
  Top Layer w0.8: Q3.3 17.898,76.445 23.316,81.863 S1.3 ; 36.025,51.414 37.148,50.292 47.752,50.292 ; 40.425,64.238 42.291,66.104 51.88,66.104 52.642,66.866 ; v2(44.501,69.342) 44.501,70.616 R13.1 44.643,70.884 Q5.2 ; 47.225,50.819 47.752,50.292 ; U6.5 C12.1 ; 59.225,51.351 58.166,50.292 47.752,50.292
  Bottom Layer w0.8: S1.3 23.316,80.633 34.633,69.317 54.839,69.317 v2(55.753,70.231) ; v2(41.225,59.74) 43.688,57.277 45.72,57.277 v2(47.225,55.772)
VBAT_IN: C9.1 D1.1 S1.2 T1.1 U3.3 | length 67.2
  Top Layer w0.8: v2(38.798,75.692) 39.306,76.2 47.269,76.2 48.546,74.924 C9.1 ; U3.3 C9.1 ; T1.1 58.661,84.315 57.936,83.59 D1.1 52.261,82.36 49.625,79.724 C9.1
  Bottom Layer w0.8: S1.2 18.516,89.763 19.685,90.932 24.765,90.932 27.686,88.011 27.686,85.789 37.782,75.692 v2(38.798,75.692)
VBUS: C10.1 D2.2 D4.2 IC1.8 Q3.1 R10.2 U3.4 USB1.2 USB1.11 | length 106
  Top Layer w0.3: 34.722,87.757 34.341,87.376 34.341,85.522 34.732,85.131 IC1.8
  Top Layer w0.35: R10.2 D4.2 13.027,78.731 14.357,77.4 Q3.1 15.46,83.659 18.364,86.563 19.66,86.563 20.93,87.833 20.93,89.611 22.047,90.729 29.921,90.729 33.274,87.376 34.341,87.376 ; 34.722,87.757 v2(38.481,87.757) ; C10.1 C10.1@53.923,73.19
  Top Layer w0.6: v2(38.481,87.757) 37.541,88.697 37.541,91.034 38.619,92.111 40.168,92.111 40.788,92.731 USB1.11 40.788,95.423 41.478,96.114 45.085,96.114 45.588,95.611 USB1.2
  Top Layer w0.8: U3.4 v2(54.774,74.041) ; C10.1@53.923,73.19 v2(54.774,74.041) ; D2.2 58.309,75.263 57.087,74.041 v2(54.774,74.041)
  Bottom Layer w0.8: v2(38.481,87.757) 35.496,87.757 34.734,86.995 34.734,83.058 43.752,74.041 v2(54.774,74.041)
pads on no net: B1.2 B1.3 B2.1 B2.4 B3.2 B3.3 D3. IC1.1 IC1.9 IC1.10 IC1.11 IC1.12 IC1.13 IC1.14 IC1.15 IC1.16 IC1.17 IC1.18 IC1.22 IC1.24 S1.1 S1.MH1 S1.MH2 T1.NC1 T1.NC2 U1.32 U2.3 U2.8 U2.9 U2.10 U2.11 U4. U6.1 U7.4 U8. U8.1 U8.3 U8.5 U8.6 U8.7 U8.8 U8.10 U8.12 U8.14 U8.16 U8.17 U8.19 U8.20 U8.22 U8.23 U8.25 U8.28 U8.30 U8.31 U8.32 U8.33 U8.36 U8.38 U8.44 U8.45 U8.46 U8.47 U8.48 U8.49 U8.51 U8.53 U8.54 USB1.3 USB1.4 USB1.9 USB1.10

## Polygon pours and split planes (outlines as drawn)
GND on Top Layer "GND_L01_P000" (solid, pour order 0): 0,100.025 65.024,100.025 65.024,21.158 0.009,21.158 0.009,36.728 10.947,36.728 20.574,36.728 30.175,36.728 30.175,46.507 10.947,46.507 10.947,73.99 0,73.99
GND on Bottom Layer "GND_L02_P002" (solid, pour order 2): 0,100 65.024,100 65.024,21.158 0.009,21.158 0.009,36.728 10.947,36.728 20.574,36.728 30.175,36.728 30.175,39.014 10.947,39.014 10.947,73.99 0,73.99

## Silkscreen, mask and mechanical layers (free items; w line width, h text height)
Top Overlay:
  drawing of 17 lines, arcs and shapes, not listed
  text "PAIR" at 3.124,94.183 h1
  text "RST" at 30.582,94.183 h1
  text "-VE" at 62.535,91.008 h1 r90
  text "+VE" at 57.861,90.83 h1 r90
  text "ON" at 18.11,83.896 h3
  text "CHG" at 57.531,76.962 h1 r270
  text "GREEN" at 62.611,76.606 h1 r270
  text "P-LED" at 44.069,75.489 h1.15
  text "ESP32" at 16.066,71.184 h1
  text "Accelerometer" at 16.002,37.084 h1
  text "OLED DISPLAY" at 12.192,5.271 h1
  text "Swarm M138" at 44.45,2.159 h1
  text "Pigs Can Fly Labs" at 1.194,1.956 h2.5
Bottom Overlay:
  drawing of 17 lines, arcs and shapes, not listed
Mechanical 1:
  the board outline again, w1